# KiCad board poly_kb_wave_left2.kicad_pcb (continued)
## Nets (continued)
/K_Q/VCC: C1_9.1 J9.14
/K_R/VCC: C1_12.1 J12.14
/K_S/VCC: C1_17.1 J17.14
/K_T/VCC: C1_13.1 J13.14
/K_V/VCC: C1_26.1 J26.14
/K_W/VCC: C1_10.1 J10.14
/K_X/VCC: C1_24.1 J24.14
/K_Z/VCC: C1_23.1 J23.14
GND: C1_1.2 C1_2.2 C1_3.2 C1_4.2 C1_5.2 C1_6.2 C1_7.2 C1_8.2 C1_9.2 C1_10.2 C1_11.2 C1_12.2 C1_13.2 C1_14.2 C1_15.2 C1_16.2 C1_17.2 C1_18.2 C1_19.2 C1_20.2 C1_21.2 C1_22.2 C1_23.2 C1_24.2 C1_25.2 C1_26.2 C1_27.2 C1_28.2 C1_29.2 C1_30.2 C1_31.2 C1_32.2 C1_33.2 C1_34.2 C1_35.2 C1_36.2 C2.2 C2_1.2 C2_2.2 C2_3.2 C2_4.2 C2_5.2 C2_6.2 C2_7.2 C2_8.2 C2_9.2 C2_10.2 C2_11.2 C2_12.2 C2_13.2 C2_14.2 C2_15.2 C2_16.2 C2_17.2 C2_18.2 C2_19.2 C2_20.2 C2_21.2 C2_22.2 C2_23.2 C2_24.2 C2_25.2 C2_26.2 C2_27.2 C2_28.2 C2_29.2 C2_30.2 C2_31.2 C2_32.2 C2_33.2 C2_34.2 C2_35.2 C2_36.2 C3.1 C3_1.2 C3_2.2 C3_3.2 C3_4.2 C3_5.2 C3_6.2 C3_7.2 C3_8.2 C3_9.2 C3_10.2 C3_11.2 C3_12.2 C3_13.2 C3_14.2 C3_15.2 C3_16.2 C3_17.2 C3_18.2 C3_19.2 C3_20.2 C3_21.2 C3_22.2 C3_23.2 C3_24.2 C3_25.2 C3_26.2 C3_27.2 C3_28.2 C3_29.2 C3_30.2 C3_31.2 C3_32.2 C3_33.2 C3_34.2 C3_35.2 C3_36.2 C4.2 C4_1.2 C4_2.2 C4_3.2 C4_4.2 C4_5.2 C4_6.2 C4_7.2 C4_8.2 C4_9.2 C4_10.2 C4_11.2 C4_12.2 C4_13.2 C4_14.2 C4_15.2 C4_16.2 C4_17.2 C4_18.2 C4_19.2 C4_20.2 C4_21.2 C4_22.2 C4_23.2 C4_24.2 C4_25.2 C4_26.2 C4_27.2 C4_28.2 C4_29.2 C4_30.2 C4_31.2 C4_32.2 C4_33.2 C4_34.2 C4_35.2 C4_36.2 C6.2 C8.1 C9.2 C10.2 C12.2 C13.2 C14.2 C15.2 C16.2 C17.2 C18.2 C19.2 C20.2 C21.2 C22.2 C23.2 C24.2 C25.2 C26.2 C32.1 C33.2 C34.2 D2.2 DBG1.2 DBG3.1 FB1.2 FB2.2 H1.1 H2.1 H3.1 H4.1 H5.1 H6.1 H7.1 H8.1 H9.1 J1.1 J2.1 J3.1 J4.1 J5.1 J6.1 J7.1 J8.1 J9.1 J10.1 J11.1 J12.1 J13.1 J14.1 J15.1 J16.1 J17.1 J18.1 J19.1 J20.1 J21.1 J22.1 J23.1 J24.1 J25.1 J26.1 J27.1 J28.1 J29.1 J30.1 J31.1 J32.1 J33.1 J34.1 J35.1 J36.1 J37.11 J38.1 J39.1 J39.8 J39.10 J39.12 J39.13 J39.15 J39.16 J39.17 J39.21 J39.22 J39.23 J39.24 J39.25 J39.29 J39.30 LED1.3 LED2.3 LED3.3 LED4.3 LED5.3 LED6.3 LED7.3 LED8.3 LED9.3 LED10.3 LED11.3 LED12.3 LED13.3 LED14.3 LED15.3 LED16.3 LED17.3 LED18.3 LED19.3 LED20.3 LED21.3 LED22.3 LED23.3 LED24.3 LED25.3 LED26.3 LED27.3 LED28.3 LED29.3 LED30.3 LED31.3 LED32.3 LED33.3 LED34.3 LED35.3 LED36.3 R5.1 R6.1 R7.1 R9.1 R12.1 R15.2 R16.1 R17.1 R24.2 R25.1 R30.1 SW1.C SW2.1 SW3.1 U1.2 U2.2 U3.2 U4.8 U4.13 U4.17 U5.8 U5.13 U5.17 U6.8 U6.13 U6.17 U7.8 U7.13 U7.17 U8.8 U8.13 U8.17 U9.4 U9.9 U10.19 U10.57 U11.3 U11.8 U12.1 U12.3 U13.1 U13.3 U14.1 U14.3 U15.1 U15.3 U16.1 U16.3 U17.1 U17.3 U18.1 U18.3 U19.1 U19.3 U20.1 U20.3 U21.1 U21.3 U22.1 U22.3 U23.1 U23.3 U24.1 U24.3 U25.1 U25.3 USB1.1 USB1.12 USB2.1 USB2.3 USB2.4 USB2.9 USB2.10 USB2.12 Y1.2 Y1.4
VBAT: C2_1.1 C2_2.1 C2_3.1 C2_4.1 C2_5.1 C2_6.1 C2_7.1 C2_8.1 C2_9.1 C2_10.1 C2_11.1 C2_12.1 C2_13.1 C2_14.1 C2_15.1 C2_16.1 C2_17.1 C2_18.1 C2_19.1 C2_20.1 C2_21.1 C2_22.1 C2_23.1 C2_24.1 C2_25.1 C2_26.1 C2_27.1 C2_28.1 C2_29.1 C2_30.1 C2_31.1 C2_32.1 C2_33.1 C2_34.1 C2_35.1 C2_36.1 DBG3.10 J1.6 J2.6 J3.6 J4.6 J5.6 J6.6 J7.6 J8.6 J9.6 J10.6 J11.6 J12.6 J13.6 J14.6 J15.6 J16.6 J17.6 J18.6 J19.6 J20.6 J21.6 J22.6 J23.6 J24.6 J25.6 J26.6 J27.6 J28.6 J29.6 J30.6 J31.6 J32.6 J33.6 J34.6 J35.6 J36.6 JP1.2 LED1.1 LED2.1 LED3.1 LED4.1 LED5.1 LED6.1 LED7.1 LED8.1 LED9.1 LED10.1 LED11.1 LED12.1 LED13.1 LED14.1 LED15.1 LED16.1 LED17.1 LED18.1 LED19.1 LED20.1 LED21.1 LED22.1 LED23.1 LED24.1 LED25.1 LED26.1 LED27.1 LED28.1 LED29.1 LED30.1 LED31.1 LED32.1 LED33.1 LED34.1 LED35.1 LED36.1
VBAT_UNLIMITED: C11.1 C12.1 C13.1 D6.2 JP1.3 L1.2 R10.2 U3.5
VBUS: D2.1 F1.1 USB1.2 USB1.11 USB2.2 USB2.11
VDD: C2.1 C3_1.1 C3_2.1 C3_3.1 C3_4.1 C3_5.1 C3_6.1 C3_7.1 C3_8.1 C3_9.1 C3_10.1 C3_11.1 C3_12.1 C3_13.1 C3_14.1 C3_15.1 C3_16.1 C3_17.1 C3_18.1 C3_19.1 C3_20.1 C3_21.1 C3_22.1 C3_23.1 C3_24.1 C3_25.1 C3_26.1 C3_27.1 C3_28.1 C3_29.1 C3_30.1 C3_31.1 C3_32.1 C3_33.1 C3_34.1 C3_35.1 C3_36.1 C5.1 C6.1 C9.1 C17.1 C18.1 C19.1 C20.1 C21.1 C22.1 C23.1 C24.1 C26.1 C32.2 D1.2 DBG3.9 J1.7 J2.7 J3.7 J4.7 J5.7 J6.7 J7.7 J8.7 J9.7 J10.7 J11.7 J12.7 J13.7 J14.7 J15.7 J16.7 J17.7 J18.7 J19.7 J20.7 J21.7 J22.7 J23.7 J24.7 J25.7 J26.7 J27.7 J28.7 J29.7 J30.7 J31.7 J32.7 J33.7 J34.7 J35.7 J36.7 J37.12 J38.5 J39.6 J39.9 J39.11 L2.2 R1_1.1 R1_2.1 R1_3.1 R1_4.1 R1_5.1 R1_6.1 R1_7.1 R1_8.1 R1_9.1 R1_10.1 R1_11.1 R1_12.1 R1_13.1 R1_14.1 R1_15.1 R1_16.1 R1_17.1 R1_18.1 R1_19.1 R1_20.1 R1_21.1 R1_22.1 R1_23.1 R1_24.1 R1_25.1 R1_26.1 R1_27.1 R1_28.1 R1_29.1 R1_30.1 R1_31.1 R1_32.1 R1_33.1 R1_34.1 R1_35.1 R1_36.1 R3.1 R4.1 R14.2 R20.1 U2.1 U3.4 U4.16 U5.16 U6.16 U7.16 U8.16 U9.8 U10.1 U10.10 U10.22 U10.33 U10.42 U10.43 U10.44 U10.48 U10.49 U12.5 U13.5 U14.5 U15.5 U16.5 U17.5 U18.5 U19.5 U20.5 U21.5 U22.5 U23.5 U24.5 U25.5
/K_1/C1N: C6_2.2 J2.5
/K_1/C1P: C6_2.1 J2.4
/K_1/C2N: C5_2.2 J2.3
/K_1/C2P: C5_2.1 J2.2
/K_1/CS: J2.8 R1_2.2 U4.1
/K_1/LED_DIN: LED2.4 LED3.2
/K_1/LED_DOUT: LED1.4 LED2.2
/K_1/VCOMH: C4_2.1 J2.13
/K_2/C1N: C6_3.2 J3.5
/K_2/C1P: C6_3.1 J3.4
/K_2/C2N: C5_3.2 J3.3
/K_2/C2P: C5_3.1 J3.2
/K_2/CS: J3.8 R1_3.2 U4.2
/K_2/LED_DIN: LED3.4 LED4.2
/K_2/VCOMH: C4_3.1 J3.13
/K_3/C1N: C6_4.2 J4.5
/K_3/C1P: C6_4.1 J4.4
/K_3/C2N: C5_4.2 J4.3
/K_3/C2P: C5_4.1 J4.2
/K_3/CS: J4.8 R1_4.2 U4.3
/K_3/LED_DIN: LED4.4 LED5.2
/K_3/VCOMH: C4_4.1 J4.13
/K_4/C1N: C6_5.2 J5.5
/K_4/C1P: C6_5.1 J5.4
/K_4/C2N: C5_5.2 J5.3
/K_4/C2P: C5_5.1 J5.2
/K_4/CS: J5.8 R1_5.2 U4.4
/K_4/LED_DIN: LED5.4 LED6.2
/K_4/VCOMH: C4_5.1 J5.13
/K_5/C1N: C6_6.2 J6.5
/K_5/C1P: C6_6.1 J6.4
/K_5/C2N: C5_6.2 J6.3
/K_5/C2P: C5_6.1 J6.2
/K_5/CS: J6.8 R1_6.2 U4.5
/K_5/LED_DIN: LED6.4 LED7.2
/K_5/VCOMH: C4_6.1 J6.13
/K_A/C1N: C6_16.2 J16.5
/K_A/C1P: C6_16.1 J16.4
/K_A/C2N: C5_16.2 J16.3
/K_A/C2P: C5_16.1 J16.2
/K_A/CS: J16.8 R1_16.2 U6.1
/K_A/LED_DIN: LED16.4 LED17.2
/K_A/LED_DOUT: LED15.4 LED16.2
/K_A/VCOMH: C4_16.1 J16.13
/K_B1/C1N: C6_30.2 J30.5
/K_B1/C1P: C6_30.1 J30.4
/K_B1/C2N: C5_30.2 J30.3
/K_B1/C2P: C5_30.1 J30.2
/K_B1/CS: J30.8 R1_30.2 U8.15
/K_B1/LED_DIN: LED30.4 LED31.2
/K_B1/LED_DOUT: LED30.2
/K_B1/VCOMH: C4_30.1 J30.13
/K_B2/C1N: C6_31.2 J31.5
/K_B2/C1P: C6_31.1 J31.4
/K_B2/C2N: C5_31.2 J31.3
/K_B2/C2P: C5_31.1 J31.2
/K_B2/CS: J31.8 R1_31.2 U8.1
/K_B2/LED_DIN: LED31.4 LED32.2
/K_B2/VCOMH: C4_31.1 J31.13
/K_B3/C1N: C6_32.2 J32.5
/K_B3/C1P: C6_32.1 J32.4
/K_B3/C2N: C5_32.2 J32.3
/K_B3/C2P: C5_32.1 J32.2
/K_B3/CS: J32.8 R1_32.2 U8.2
/K_B3/LED_DIN: LED32.4 LED33.2
/K_B3/VCOMH: C4_32.1 J32.13
/K_B4/C1N: C6_33.2 J33.5
/K_B4/C1P: C6_33.1 J33.4
/K_B4/C2N: C5_33.2 J33.3
/K_B4/C2P: C5_33.1 J33.2
/K_B4/CS: J33.8 R1_33.2 U8.3
/K_B4/LED_DIN: LED33.4 LED34.2
/K_B4/VCOMH: C4_33.1 J33.13
/K_B5/C1N: C6_34.2 J34.5
/K_B5/C1P: C6_34.1 J34.4
/K_B5/C2N: C5_34.2 J34.3
/K_B5/C2P: C5_34.1 J34.2
/K_B5/CS: J34.8 R1_34.2 U8.4
/K_B5/LED_DIN: LED34.4 LED35.2
/K_B5/VCOMH: C4_34.1 J34.13
/K_B6/C1N: C6_35.2 J35.5
/K_B6/C1P: C6_35.1 J35.4
/K_B6/C2N: C5_35.2 J35.3
/K_B6/C2P: C5_35.1 J35.2
/K_B6/CS: J35.8 R1_35.2 U8.5
/K_B6/LED_DIN: LED35.4 LED36.2
/K_B6/VCOMH: C4_35.1 J35.13
/K_B7/C1N: C6_36.2 J36.5
/K_B7/C1P: C6_36.1 J36.4
/K_B7/C2N: C5_36.2 J36.3
/K_B7/C2P: C5_36.1 J36.2
/K_B7/CS: J36.8 R1_36.2 U8.6
/K_B7/LED_DIN: LED29.2 LED36.4
/K_B7/VCOMH: C4_36.1 J36.13
/K_B8/C1N: C6_29.2 J29.5
/K_B8/C1P: C6_29.1 J29.4
/K_B8/C2N: C5_29.2 J29.3
/K_B8/C2P: C5_29.1 J29.2
/K_B8/CS: J29.8 R1_29.2 U8.7
/K_B8/LED_DIN: LED22.2 LED29.4
/K_B8/VCOMH: C4_29.1 J29.13
/K_B/C1N: C6_27.2 J27.5
/K_B/C1P: C6_27.1 J27.4
/K_B/C2N: C5_27.2 J27.3
/K_B/C2P: C5_27.1 J27.2
/K_B/CS: J27.8 R1_27.2 U7.5
/K_B/LED_DIN: LED27.4 LED28.2
/K_B/LED_DOUT: LED26.4 LED27.2
/K_B/VCOMH: C4_27.1 J27.13
/K_C/C1N: C6_25.2 J25.5
/K_C/C1P: C6_25.1 J25.4
/K_C/C2N: C5_25.2 J25.3
/K_C/C2P: C5_25.1 J25.2
/K_C/CS: J25.8 R1_25.2 U7.3
/K_C/LED_DIN: LED25.4 LED26.2
/K_C/LED_DOUT: LED24.4 LED25.2
/K_C/VCOMH: C4_25.1 J25.13
/K_D/C1N: C6_18.2 J18.5
/K_D/C1P: C6_18.1 J18.4
/K_D/C2N: C5_18.2 J18.3
/K_D/C2P: C5_18.1 J18.2
/K_D/CS: J18.8 R1_18.2 U6.3
/K_D/LED_DIN: LED18.4 LED19.2
/K_D/LED_DOUT: LED17.4 LED18.2
/K_D/VCOMH: C4_18.1 J18.13
/K_E/C1N: C6_11.2 J11.5
/K_E/C1P: C6_11.1 J11.4
/K_E/C2N: C5_11.2 J11.3
/K_E/C2P: C5_11.1 J11.2
/K_E/CS: J11.8 R1_11.2 U5.3
/K_E/LED_DIN: LED11.4 LED12.2
/K_E/LED_DOUT: LED10.4 LED11.2
/K_E/VCOMH: C4_11.1 J11.13
/K_F/C1N: C6_19.2 J19.5
/K_F/C1P: C6_19.1 J19.4
/K_F/C2N: C5_19.2 J19.3
/K_F/C2P: C5_19.1 J19.2
/K_F/CS: J19.8 R1_19.2 U6.4
/K_F/LED_DIN: LED19.4 LED20.2
/K_F/VCOMH: C4_19.1 J19.13
/K_G/C1N: C6_20.2 J20.5
/K_G/C1P: C6_20.1 J20.4
/K_G/C2N: C5_20.2 J20.3
/K_G/C2P: C5_20.1 J20.2
/K_G/CS: J20.8 R1_20.2 U6.5
/K_G/LED_DIN: LED20.4 LED21.2
/K_G/VCOMH: C4_20.1 J20.13
/K_L1/C1N: C6_1.2 J1.5
/K_L1/C1P: C6_1.1 J1.4
/K_L1/C2N: C5_1.2 J1.3
/K_L1/C2P: C5_1.1 J1.2
/K_L1/CS: J1.8 R1_1.2 U4.15
/K_L1/LED_DOUT: LED1.2 LED14.4
/K_L1/VCOMH: C4_1.1 J1.13
/K_L2/C1N: C6_8.2 J8.5
/K_L2/C1P: C6_8.1 J8.4
/K_L2/C2N: C5_8.2 J8.3
/K_L2/C2P: C5_8.1 J8.2
/K_L2/CS: J8.8 R1_8.2 U5.15
/K_L2/LED_DIN: LED8.4 LED9.2
/K_L2/LED_DOUT: LED8.2 LED21.4
/K_L2/VCOMH: C4_8.1 J8.13
/K_L3/C1N: C6_15.2 J15.5
/K_L3/C1P: C6_15.1 J15.4
/K_L3/C2N: C5_15.2 J15.3
/K_L3/C2P: C5_15.1 J15.2
/K_L3/CS: J15.8 R1_15.2 U6.15
/K_L3/LED_DOUT: LED15.2 LED28.4
/K_L3/VCOMH: C4_15.1 J15.13
/K_L4/C1N: C6_22.2 J22.5
/K_L4/C1P: C6_22.1 J22.4
/K_L4/C2N: C5_22.2 J22.3
/K_L4/C2P: C5_22.1 J22.2
/K_L4/CS: J22.8 R1_22.2 U7.15
/K_L4/LED_DIN: LED22.4 LED23.2
/K_L4/VCOMH: C4_22.1 J22.13
/K_L6/C1N: C6_7.2 J7.5
/K_L6/C1P: C6_7.1 J7.4
/K_L6/C2N: C5_7.2 J7.3
/K_L6/C2P: C5_7.1 J7.2
/K_L6/CS: J7.8 R1_7.2 U4.6
/K_L6/VCOMH: C4_7.1 J7.13
/K_L7/C1N: C6_14.2 J14.5
/K_L7/C1P: C6_14.1 J14.4
/K_L7/C2N: C5_14.2 J14.3
/K_L7/C2P: C5_14.1 J14.2
/K_L7/CS: J14.8 R1_14.2 U5.6
/K_L7/LED_DOUT: LED13.4 LED14.2
/K_L7/VCOMH: C4_14.1 J14.13
/K_L8/C1N: C6_21.2 J21.5
/K_L8/C1P: C6_21.1 J21.4
/K_L8/C2N: C5_21.2 J21.3
/K_L8/C2P: C5_21.1 J21.2
/K_L8/CS: J21.8 R1_21.2 U6.6
/K_L8/VCOMH: C4_21.1 J21.13
/K_L9/C1N: C6_28.2 J28.5
/K_L9/C1P: C6_28.1 J28.4
/K_L9/C2N: C5_28.2 J28.3
/K_L9/C2P: C5_28.1 J28.2
/K_L9/CS: J28.8 R1_28.2 U7.6
/K_L9/VCOMH: C4_28.1 J28.13
/K_Q/C1N: C6_9.2 J9.5
/K_Q/C1P: C6_9.1 J9.4
/K_Q/C2N: C5_9.2 J9.3
/K_Q/C2P: C5_9.1 J9.2
/K_Q/CS: J9.8 R1_9.2 U5.1
/K_Q/LED_DIN: LED9.4 LED10.2
/K_Q/VCOMH: C4_9.1 J9.13
/K_R/C1N: C6_12.2 J12.5
/K_R/C1P: C6_12.1 J12.4
/K_R/C2N: C5_12.2 J12.3
/K_R/C2P: C5_12.1 J12.2
/K_R/CS: J12.8 R1_12.2 U5.4
/K_R/LED_DIN: LED12.4 LED13.2
/K_R/VCOMH: C4_12.1 J12.13
/K_S/C1N: C6_17.2 J17.5
/K_S/C1P: C6_17.1 J17.4
/K_S/C2N: C5_17.2 J17.3
/K_S/C2P: C5_17.1 J17.2
/K_S/CS: J17.8 R1_17.2 U6.2
/K_S/VCOMH: C4_17.1 J17.13
/K_T/C1N: C6_13.2 J13.5
/K_T/C1P: C6_13.1 J13.4
/K_T/C2N: C5_13.2 J13.3
/K_T/C2P: C5_13.1 J13.2
/K_T/CS: J13.8 R1_13.2 U5.5
/K_T/VCOMH: C4_13.1 J13.13
/K_V/C1N: C6_26.2 J26.5
/K_V/C1P: C6_26.1 J26.4
/K_V/C2N: C5_26.2 J26.3
/K_V/C2P: C5_26.1 J26.2
/K_V/CS: J26.8 R1_26.2 U7.4
/K_V/VCOMH: C4_26.1 J26.13
/K_W/C1N: C6_10.2 J10.5
/K_W/C1P: C6_10.1 J10.4
/K_W/C2N: C5_10.2 J10.3
/K_W/C2P: C5_10.1 J10.2
/K_W/CS: J10.8 R1_10.2 U5.2
/K_W/VCOMH: C4_10.1 J10.13
/K_X/C1N: C6_24.2 J24.5
/K_X/C1P: C6_24.1 J24.4
/K_X/C2N: C5_24.2 J24.3
/K_X/C2P: C5_24.1 J24.2
/K_X/CS: J24.8 R1_24.2 U7.2
/K_X/LED_DOUT: LED23.4 LED24.2
/K_X/VCOMH: C4_24.1 J24.13
/K_Z/C1N: C6_23.2 J23.5
/K_Z/C1P: C6_23.1 J23.4
/K_Z/C2N: C5_23.2 J23.3
/K_Z/C2P: C5_23.1 J23.2
/K_Z/CS: J23.8 R1_23.2 U7.1
/K_Z/VCOMH: C4_23.1 J23.13
/RpPico/GPIO6: R1.1 U10.8
/RpPico/GPIO7: R2.1 U10.9
/RpPico/GPIO24: R8.2 R15.1 U10.36
/RpPico/QSPI_SCLK: U9.6 U10.52
/RpPico/QSPI_SD0: U9.5 U10.53
/RpPico/QSPI_SD1: U9.2 U10.55
/RpPico/QSPI_SD2: U9.3 U10.54
/RpPico/QSPI_SD3: U9.7 U10.51
/RpPico/QSPI_SS: R20.2 R21.1 U9.1 U10.56
/RpPico/RUN: SW3.2 U10.26
/RpPico/SWCLK: DBG1.3 U10.24
/RpPico/SWD: DBG1.1 U10.25
/RpPico/USB_D+: R22.1 TP14.1 U11.1 U11.4 U11.7 U11.10 USB1.6 USB1.8
/RpPico/USB_D-: R23.1 TP1.1 U11.2 U11.5 U11.6 U11.9 USB1.5 USB1.7
/RpPico/XIN: C3.2 U10.20 Y1.1
/RpPico/XOUT: R19.2 U10.21
/RpPico/~{USB_BOOT}: R21.2 SW2.2
/SCLK1: J1.11 J8.11 J15.11 J22.11 J30.11 U15.4
/SCLK2: J2.11 J9.11 J16.11 J23.11 J31.11 U13.4
/SCLK3: J3.11 J10.11 J17.11 J24.11 J32.11 U17.4
/SCLK4: J4.11 J11.11 J18.11 J25.11 J33.11 U19.4
/SCLK5: J5.11 J12.11 J19.11 J26.11 J34.11 U21.4
/SCLK6: J6.11 J13.11 J20.11 J27.11 J35.11 U23.4
/SCLK7: J7.11 J14.11 J21.11 J28.11 J29.11 J36.11 U25.4
/SDIN1: J1.12 J8.12 J15.12 J22.12 J30.12 U14.4
/SDIN2: J2.12 J9.12 J16.12 J23.12 J31.12 U12.4
/SDIN3: J3.12 J10.12 J17.12 J24.12 J32.12 U16.4
/SDIN4: J4.12 J11.12 J18.12 J25.12 J33.12 U18.4
/SDIN5: J5.12 J12.12 J19.12 J26.12 J34.12 U20.4
/SDIN6: J6.12 J13.12 J20.12 J27.12 J35.12 U22.4
/SDIN7: J7.12 J14.12 J21.12 J28.12 J29.12 J36.12 U24.4
/ShiftRegisters/Carry1: U4.9 U5.14
/ShiftRegisters/Carry2: U5.9 U6.14
/ShiftRegisters/Carry3: U6.9 U7.14
/ShiftRegisters/Carry4: U7.9 U8.14
/ShiftRegisters/CarryOut: U8.9
/ShiftRegisters/Out1_8: U4.7
/ShiftRegisters/Out2_8: U5.7
/ShiftRegisters/Out3_8: U6.7
/ShiftRegisters/Out4_8: U7.7
Col1: D1_1.1 D1_8.1 D1_15.1 D1_22.1 D1_30.1 U10.13
Col2: D1_2.1 D1_9.1 D1_16.1 D1_23.1 D1_31.1 U10.14
Col3: D1_3.1 D1_10.1 D1_17.1 D1_24.1 D1_32.1 U10.15
Col4: D1_4.1 D1_11.1 D1_18.1 D1_25.1 D1_33.1 U10.16
Col5: D1_5.1 D1_12.1 D1_19.1 D1_26.1 D1_34.1 U10.17
Col6: D1_6.1 D1_13.1 D1_20.1 D1_27.1 D1_35.1 U10.18
Col7: D1_7.1 D1_14.1 D1_21.1 D1_28.1 D1_36.1 U10.27
Col8: D1_29.1 D12.1 U10.5
D-C: DBG3.4 J1.10 J2.10 J3.10 J4.10 J5.10 J6.10 J7.10 J8.10 J9.10 J10.10 J11.10 J12.10 J13.10 J14.10 J15.10 J16.10 J17.10 J18.10 J19.10 J20.10 J21.10 J22.10 J23.10 J24.10 J25.10 J26.10 J27.10 J28.10 J29.10 J30.10 J31.10 J32.10 J33.10 J34.10 J35.10 J36.10 U10.11
ENC_A: SW1.A U10.37
ENC_B: SW1.B U10.41
I2C_SCL: J37.9 J38.3 J39.18 R3.2 U10.3
I2C_SDA: J37.10 J38.4 J39.19 J39.20 R4.2 U10.2
LED_ARR_START: LED7.4 U10.4
RESET: DBG3.5 J1.9 J2.9 J3.9 J4.9 J5.9 J6.9 J7.9 J8.9 J9.9 J10.9 J11.9 J12.9 J13.9 J14.9 J15.9 J16.9 J17.9 J18.9 J19.9 J20.9 J21.9 J22.9 J23.9 J24.9 J25.9 J26.9 J27.9 J28.9 J29.9 J30.9 J31.9 J32.9 J33.9 J34.9 J35.9 J36.9 J39.14 U4.10 U5.10 U6.10 U7.10 U8.10 U10.12
Row1: SW_K_1.1 SW_K_2.1 SW_K_3.1 SW_K_4.1 SW_K_5.1 SW_K_6.1 SW_K_7.1 U10.29
Row2: SW_K_8.1 SW_K_9.1 SW_K_10.1 SW_K_11.1 SW_K_12.1 SW_K_13.1 SW_K_14.1 U10.30
Row3: SW_K_15.1 SW_K_16.1 SW_K_17.1 SW_K_18.1 SW_K_19.1 SW_K_20.1 SW_K_21.1 U10.31
Row4: SW1.S1 SW_K_22.1 SW_K_23.1 SW_K_24.1 SW_K_25.1 SW_K_26.1 SW_K_27.1 SW_K_28.1 U10.32
Row5: SW_K_29.1 SW_K_30.1 SW_K_31.1 SW_K_32.1 SW_K_33.1 SW_K_34.1 SW_K_35.1 SW_K_36.1 U10.34
SCLK_RAW: DBG3.2 R1.2 U13.2 U15.2 U17.2 U19.2 U21.2 U23.2 U25.2
SDIN_RAW: DBG3.3 R2.2 U12.2 U14.2 U16.2 U18.2 U20.2 U22.2 U24.2
SERIAL_COM1: U10.6 USB2.6 USB2.8
SERIAL_COM2: U10.7 USB2.5 USB2.7
SPI0_CS_NC: U10.28
SR_CLOCK: DBG3.6 U4.11 U5.11 U6.11 U7.11 U8.11 U10.39
SR_DATA: DBG3.7 U4.14 U10.38
SR_LATCH: DBG3.8 U4.12 U5.12 U6.12 U7.12 U8.12 U10.40
TB_INT: J38.2 U10.35
VSYS: C4.1 C10.1 F1.2 R8.1 U1.1 U1.4 U2.4
Net-(C8-Pad2): C8.2 R19.1 Y1.3
Net-(D1-K): D1.1 R16.2
Net-(D1_1-A): D1_1.2 SW_K_1.2
Net-(D1_2-A): D1_2.2 SW_K_2.2
Net-(D1_3-A): D1_3.2 SW_K_3.2
Net-(D1_4-A): D1_4.2 SW_K_4.2
Net-(D1_5-A): D1_5.2 SW_K_5.2
Net-(D1_6-A): D1_6.2 SW_K_6.2
Net-(D1_7-A): D1_7.2 SW_K_7.2
Net-(D1_8-A): D1_8.2 SW_K_8.2
Net-(D1_9-A): D1_9.2 SW_K_9.2
Net-(D1_10-A): D1_10.2 SW_K_10.2
Net-(D1_11-A): D1_11.2 SW_K_11.2
Net-(D1_12-A): D1_12.2 SW_K_12.2
Net-(D1_13-A): D1_13.2 SW_K_13.2
Net-(D1_14-A): D1_14.2 SW_K_14.2
Net-(D1_15-A): D1_15.2 SW_K_15.2
Net-(D1_16-A): D1_16.2 SW_K_16.2
Net-(D1_17-A): D1_17.2 SW_K_17.2
Net-(D1_18-A): D1_18.2 SW_K_18.2
Net-(D1_19-A): D1_19.2 SW_K_19.2
Net-(D1_20-A): D1_20.2 SW_K_20.2
Net-(D1_21-A): D1_21.2 SW_K_21.2
Net-(D1_22-A): D1_22.2 SW_K_22.2
Net-(D1_23-A): D1_23.2 SW_K_23.2
Net-(D1_24-A): D1_24.2 SW_K_24.2
Net-(D1_25-A): D1_25.2 SW_K_25.2
Net-(D1_26-A): D1_26.2 SW_K_26.2
Net-(D1_27-A): D1_27.2 SW_K_27.2
Net-(D1_28-A): D1_28.2 SW_K_28.2
Net-(D1_29-A): D1_29.2 SW_K_29.2
Net-(D1_30-A): D1_30.2 SW_K_30.2
Net-(D1_31-A): D1_31.2 SW_K_31.2
Net-(D1_32-A): D1_32.2 SW_K_32.2
Net-(D1_33-A): D1_33.2 SW_K_33.2
Net-(D1_34-A): D1_34.2 SW_K_34.2
Net-(D1_35-A): D1_35.2 SW_K_35.2
Net-(D1_36-A): D1_36.2 SW_K_36.2
Net-(D5-A): C14.1 D5.2 JP1.1 U3.1
Net-(D5-K): D5.1 R5.2
Net-(D6-K): D6.1 R6.2
Net-(D12-A): D12.2 SW1.S2
Net-(J39-Pin_2): C30.1 J39.2
Net-(J39-Pin_3): C30.2 J39.3
Net-(J39-Pin_4): C31.1 J39.4
Net-(J39-Pin_5): C31.2 J39.5
Net-(J39-Pin_26): J39.26 R30.2
Net-(J39-Pin_27): C33.1 J39.27
Net-(J39-Pin_28): C34.1 J39.28
Net-(R10-Pad1): R10.1 R11.2
Net-(R13-Pad2): R13.2 R25.2
Net-(R18-Pad2): R18.2 R24.1
Net-(U1A-FB): C5.2 R14.1 R17.2 R18.1 U1.5
Net-(U1A-SW): L2.1 U1.3
Net-(U2A-FB): C11.2 R11.1 R12.2 U2.5
Net-(U2A-SW): L1.1 U2.3
Net-(U3-SET): R13.1 U3.3
Net-(U10-USB_DM): R23.2 U10.46
Net-(U10-USB_DP): R22.2 U10.47
Net-(USB1-CC1): R7.2 USB1.4
Net-(USB1-CC2): R9.2 USB1.10
Net-(USB1-SHIELD): FB1.1 USB1.13
Net-(USB2-SHIELD): FB2.1 USB2.13

Pads without a net: J1 MP1 MP2; J2 MP1 MP2; J3 MP1 MP2; J4 MP1 MP2; J5 MP1 MP2; J6 MP1 MP2; J7 MP1 MP2; J8 MP1 MP2; J9 MP1 MP2; J10 MP1 MP2; J11 MP1 MP2; J12 MP1 MP2; J13 MP1 MP2; J14 MP1 MP2; J15 MP1 MP2; J16 MP1 MP2; J17 MP1 MP2; J18 MP1 MP2; J19 MP1 MP2; J20 MP1 MP2; J21 MP1 MP2; J22 MP1 MP2; J23 MP1 MP2; J24 MP1 MP2; J25 MP1 MP2; J26 MP1 MP2; J27 MP1 MP2; J28 MP1 MP2; J29 MP1 MP2; J30 MP1 MP2; J31 MP1 MP2; J32 MP1 MP2; J33 MP1 MP2; J34 MP1 MP2; J35 MP1 MP2; J36 MP1 MP2; J37 1 2 3 4 5 6 7 8 MP1 MP2; J39 7 MP; USB1 3 9

## Via types
v1: diameter 1, hole 0.5, Top to Bottom, 150 vias
v2: diameter 0.61, hole 0.305, Top to Bottom, 878 vias
v3: diameter 0.45, hole 0.25, Top to Bottom, 98 vias
v4: diameter 0.8, hole 0.4, Top to Bottom, 3 vias

## Routing (per net, layer and track width the routed paths; a pad name or vN(x,y) marks a point on that pad's centre or on a via; arc(x,y) is an arc through that point)
+1V1: length 12.2
  Top w0.229: v3(160.88,101.77) 160.98,101.87 C15.1 ; C16.1 161.71,106.94 v3(161.58,106.94) ; 159.66,107.38 160.11,106.92 v3(160.3,106.92)
  Bottom w0.229: v3(160.3,106.92) 159.95,107.27 U10.45 ; v3(160.3,106.92) 161.56,106.92 v3(161.58,106.94) 161.59,106.94 161.95,107.3 U10.50 ; v3(160.3,106.92) 159.88,106.51 159.88,102.72 160.83,101.77 v3(160.88,101.77) 160.88,101.67 161.15,101.4 U10.23
/K_1/VCC: length 6.2
  Bottom w0.3: J2.14 46.15,115.87 47.13,116.85 47.71,116.85 48.6,117.74 50.04,117.74 C1_2.1
/K_2/VCC: length 6.2
  Bottom w0.3: J3.14 65.2,118.25 66.18,119.23 66.76,119.23 67.65,120.12 69.09,120.12 C1_3.1
/K_3/VCC: length 9.1
  Bottom w0.3: J4.14 84.25,120.63 85.23,121.62 85.81,121.62 86.7,122.5 87.79,122.5 90.74,119.55 90.99,119.55
/K_4/VCC: length 6.2
  Bottom w0.3: C1_5.1 107.19,120.12 105.75,120.12 104.86,119.23 104.28,119.23 103.3,118.25 J5.14
/K_5/VCC: length 6.2
  Bottom w0.3: C1_6.1 126.24,117.74 124.8,117.74 123.91,116.85 123.33,116.85 122.35,115.87 J6.14
/K_A/VCC: length 6.2
  Bottom w0.3: J16.14 46.15,77.77 47.13,78.75 47.71,78.75 48.6,79.64 50.04,79.64 50.84,80.44
/K_B1/VCC: length 6.2
  Bottom w0.3: J30.14 27.1,39.67 28.08,40.65 28.66,40.65 29.55,41.54 30.99,41.54 C1_30.1
/K_B2/VCC: length 6.2
  Bottom w0.3: C1_31.1 50.04,41.54 48.6,41.54 47.71,40.65 47.13,40.65 46.15,39.67 J31.14
/K_B3/VCC: length 6.2
  Bottom w0.3: C1_32.1 69.09,43.92 67.65,43.92 66.76,43.03 66.18,43.03 65.2,42.05 J32.14
/K_B4/VCC: length 6.2
  Bottom w0.3: C1_33.1 88.14,46.3 86.7,46.3 85.81,45.42 85.23,45.42 84.25,44.43 84.25,44.07
/K_B5/VCC: length 6.2
  Bottom w0.3: C1_34.1 119.33,36.05 117.9,36.18 116.94,35.37 116.36,35.42 115.3,34.53 J34.14
/K_B6/VCC: length 6.2
  Bottom w0.3: J35.14 138.88,30.34 140.06,31.06 140.63,30.93 141.7,31.58 143.1,31.25 C1_35.1
/K_B7/VCC: length 5.8
  Bottom w0.3: J36.14 160.72,23.77 161.15,23.97 162.42,23.97 162.67,24.23 162.93,24.35 ; C1_36.1 162.98,24.37
/K_B8/VCC: length 6.1
  Bottom w0.3: C1_29.1 173.67,44.89 171.7,44.89 171.17,45.08 170.76,44.89 170.53,44.66 169.29,44.66 168.81,44.43 J29.14
/K_B/VCC: length 6.2
  Bottom w0.3: C1_27.1 126.24,60.59 124.8,60.59 123.91,59.7 123.33,59.7 122.35,58.72 J27.14
/K_C/VCC: length 6.2
  Bottom w0.3: J25.14 84.25,63.48 85.23,64.47 85.81,64.47 86.7,65.35 88.14,65.35 C1_25.1
/K_D/VCC: length 6.2
  Bottom w0.3: J18.14 84.25,82.53 85.23,83.52 85.81,83.52 86.7,84.4 88.14,84.4 C1_18.1
/K_E/VCC: length 6.2
  Bottom w0.3: J11.14 84.25,101.58 85.23,102.57 85.81,102.57 86.7,103.45 88.14,103.45 C1_11.1
/K_F/VCC: length 6.2
  Bottom w0.3: J19.14 103.3,80.15 104.28,81.13 104.86,81.13 105.75,82.02 107.19,82.02 C1_19.1
/K_G/VCC: length 6.2
  Bottom w0.3: J20.14 122.35,77.77 123.33,78.75 123.91,78.75 124.8,79.64 126.24,79.64 127.04,80.44
/K_L1/VCC: length 6.2
  Bottom w0.3: J1.14 22.34,115.87 23.32,116.85 23.9,116.85 24.79,117.74 26.23,117.74 C1_1.1
/K_L2/VCC: length 6.2
  Bottom w0.3: J8.14 22.34,96.82 23.32,97.8 23.9,97.8 24.79,98.69 26.23,98.69 C1_8.1
/K_L3/VCC: length 6.2
  Bottom w0.3: J15.14 22.34,77.77 23.32,78.75 23.9,78.75 24.79,79.64 26.23,79.64 27.02,80.44
/K_L4/VCC: length 6.2
  Bottom w0.3: J22.14 22.34,58.72 23.32,59.7 23.9,59.7 24.79,60.59 26.23,60.59 C1_22.1
/K_L6/VCC: length 6.2
  Bottom w0.3: J7.14 141.4,115.87 142.38,116.85 142.96,116.85 143.85,117.74 145.29,117.74 C1_7.1
/K_L7/VCC: length 6.2
  Bottom w0.3: C1_14.1 145.29,98.69 143.85,98.69 142.96,97.8 142.38,97.8 141.4,96.82 J14.14
/K_L8/VCC: length 6.2
  Bottom w0.3: 146.09,80.44 145.29,79.64 143.85,79.64 142.96,78.75 142.38,78.75 141.4,77.77 J21.14
/K_L9/VCC: length 6.2
  Bottom w0.3: J28.14 144.58,52.05 145.77,52.77 146.33,52.64 147.4,53.3 148.8,52.96 C1_28.1
/K_Q/VCC: length 6.2
  Bottom w0.3: C1_9.1 50.04,98.69 48.6,98.69 47.71,97.8 47.13,97.8 46.15,96.82 J9.14
/K_R/VCC: length 6.2
  Bottom w0.3: J12.14 103.3,99.2 104.28,100.18 104.86,100.18 105.75,101.07 107.19,101.07 C1_12.1
/K_S/VCC: length 6.2
  Bottom w0.3: C1_17.1 69.09,82.02 67.65,82.02 66.76,81.13 66.18,81.13 65.2,80.15 J17.14
/K_T/VCC: length 6.2
  Bottom w0.3: C1_13.1 126.24,98.69 124.8,98.69 123.91,97.8 123.33,97.8 122.35,96.82 J13.14
/K_V/VCC: length 6.2
  Bottom w0.3: J26.14 103.3,61.1 104.28,62.08 104.86,62.08 105.75,62.97 107.19,62.97 C1_26.1
/K_W/VCC: length 6.2
  Bottom w0.3: J10.14 65.2,99.2 66.18,100.18 66.76,100.18 67.65,101.07 69.09,101.07 C1_10.1
/K_X/VCC: length 6.2
  Bottom w0.3: C1_24.1 69.09,62.97 67.65,62.97 66.76,62.08 66.18,62.08 65.2,61.1 J24.14
/K_Z/VCC: length 6.2
  Bottom w0.3: J23.14 46.15,58.72 47.13,59.7 47.71,59.7 48.6,60.59 50.04,60.59 C1_23.1
GND: length 585.5
  Top w0.229: 159.66,106.42 162.05,106.42 C16.2 C22.2 C21.2 164.3,105.67 163.77,105.14 C23.2 ; C17.2 159.58,103.51 159.58,104.44 C19.2 ; 160.34,103.5 160.47,103.37 U10.57 ; U10.57 163.02,104.92 163.05,104.95 ; 162,102.82 U10.57 ; 160.81,105.66 160.85,105.62 U10.57 ; C26.2 163.93,101.73 v3(163.45,101.73) ; 163.2,105.8 U10.57 ; C15.2 160.02,102.62
  Top w0.3: v2(161.04,114.3) 161.04,114.95 161.03,114.96
  Top w0.4: C19.2 159.67,104.35 U10.57 ; 160.02,102.62 U10.57 ; C15.2 160.02,97.55 ; C18.2 162,102.82 ; 160.34,103.5 C17.2 ; 160.81,105.66 160.81,106.42 ; 163.05,104.95 C23.2 ; C22.2 163.2,105.8
  Top w0.5: 82.46,63.15 v1(85.19,63.15) ; 101.51,60.77 v1(104.24,60.77) ; 158.93,24.07 v1(161.49,23.14) ; 142.77,52.14 v1(145.42,51.51) ; 137.06,30.43 v1(139.72,29.8) ; 82.46,44.1 v1(85.19,44.1) ; 63.41,117.92 v1(66.14,117.92) ; 20.55,58.39 v1(23.28,58.39) ; 44.36,58.39 v1(47.09,58.39) ; 20.55,77.44 v1(23.28,77.44) ; 120.56,58.39 v1(123.29,58.39) ; 139.61,96.49 v1(142.34,96.49) ; 101.51,98.87 v1(104.24,98.87) ; 63.41,79.82 v1(66.14,79.82) ; v1(23.28,96.54) 23.23,96.49 20.55,96.49 ; 44.36,77.44 v1(47.09,77.44) ; U10.57 160.47,104.35 ; 63.41,98.87 v1(66.14,98.87) ; 44.36,96.49 47.04,96.49 v1(47.09,96.54) ; 139.61,115.54 v1(142.34,115.54) ; 82.46,82.2 v1(85.19,82.2) ; 101.51,79.82 v1(104.24,79.82) ; 167.02,44.73 v1(169.58,43.8) ; 44.36,39.34 v1(47.09,39.34) ; 139.61,77.44 v1(142.34,77.44) ; 161.75,105.62 161.75,103.07 ; 63.41,60.77 v1(66.14,60.77) ; 101.51,117.92 v1(104.24,117.92) ; 175.31,102.95 v1(175.31,102.96) ; 63.41,41.72 v1(66.14,41.72) ; v1(176.87,96.72) 176.87,96.71 U3.2 ; 44.36,115.54 v1(47.09,115.54) ; 120.56,96.49 v1(123.29,96.49) ; 20.55,115.54 v1(23.28,115.54) ; 113.49,34.36 v1(116.2,34.12) ; 120.56,77.44 v1(123.29,77.44) ; 82.46,120.3 v1(85.19,120.3) ; 120.56,115.54 v1(123.29,115.54) ; 82.46,101.25 v1(85.19,101.25) ; 25.31,39.34 v1(28.04,39.34) ; 160.47,103.07 160.47,105.62 U10.57 U10.57 160.47,103.07
  Top w0.6: v1(164.21,114.96) 157.61,114.96 ; U2.2 175.31,102.95 ; C6.2 175.91,112.1 v1(177.06,112.1) 177.11,112.15 177.11,113.35 177.66,113.9 U1.2 v1(179.61,113.9) 179.86,113.65 179.86,111.08 R17.1 ; v1(171.21,103.83) 171.22,103.84 C10.2 172.33,102.32 R12.1 ; v1(173.39,75.6) v1(173.39,68.5)
  Bottom w0.229: 167,110.6 v2(166.69,110.6) 167,110.6 ; 167,110.6 U9.4 ; v3(163.45,101.73) 162.75,101.73 U10.19 162.75,98.42 v3(162.94,98.23)
  Bottom w0.25: C2_5.2 92.57,118 90.99,118 90.99,117 v2(91.04,116.95)
  Bottom w0.254: C3_16.2 51.29,74.1 v2(51.49,73.9) ; U4.13 30.6,103.99 U4.17 ; v2(34.29,122.7) 34.24,122.65 U13.1 34.64,121.45 34.85,121.25 34.85,120.32 34.68,120.15 U13.3 ; 128.41,122 127.86,122.55 U23.1 ; 128.41,122 128.29,121.89 128.29,121.47 128.07,121.25 U23.3 ; 128.41,122 129.69,122 ; U21.1 109.45,124.6 109.65,124.4 109.65,123.47 109.48,123.3 ; U7.13 78.92,23.05 U7.17 79.42,23.55 79.93,23.55 v3(79.93,23.55) 79.93,23.55 U7.8 ; 148.89,122.3 147.41,122.3 146.91,122.8 U24.1 146.54,123.35 v2(146.59,123.4) ; 148.89,122.3 149.39,122.8 U25.1 ; 148.89,122.3 148.89,121.92 149.31,121.5 U25.3 ; U16.1 71.62,124.5 71.91,124.2 U19.1 72.07,123.78 C2_4.2 71.27,123.2 U16.3 ; U20.3 112.26,121.25 111.99,121.52 111.99,122.29 112.26,122.55 U20.1 U18.3 112.11,124.15 111.99,124.27 111.99,125.33 112.11,125.45 U18.1 ; 129.69,122 130.24,122.55 U22.1 ; 129.69,122 130.44,121.25 U22.3 ; 53.09,120.9 53.09,120.08 C2_3.2 ; 53.09,120.9 U12.3 ; 53.09,120.9 54.14,120.9 U17.3 ; U21.3 109.49,123.3 109.74,123.06 109.74,122.54 v2(110.37,121.91) ; U8.8 v3(89.99,23.55) 89.51,23.55 U8.17 89.01,23.05 U8.13 ; v3(30.09,105) 30.1,105.01 U4.8 30.1,106.5 29.59,107 v2(28.79,107) ; v2(146.49,120.5) 146.54,120.55 U24.3